# Altium PCB dev-board.PcbDoc (part 1 of 3)
Units mil, origin at the board's own origin, x right, y up, seen from the top; angles counter-clockwise.
Board outline 5607.36 x 4976.81 mil, 4 copper layers (Top Layer, Mid Layer 1, Mid Layer 2, Bottom Layer), stack 62.449 mil thick; 260 components, 115 nets, 707 pads, 1011 vias.
Unrouted connection lines stored in the file: 1.
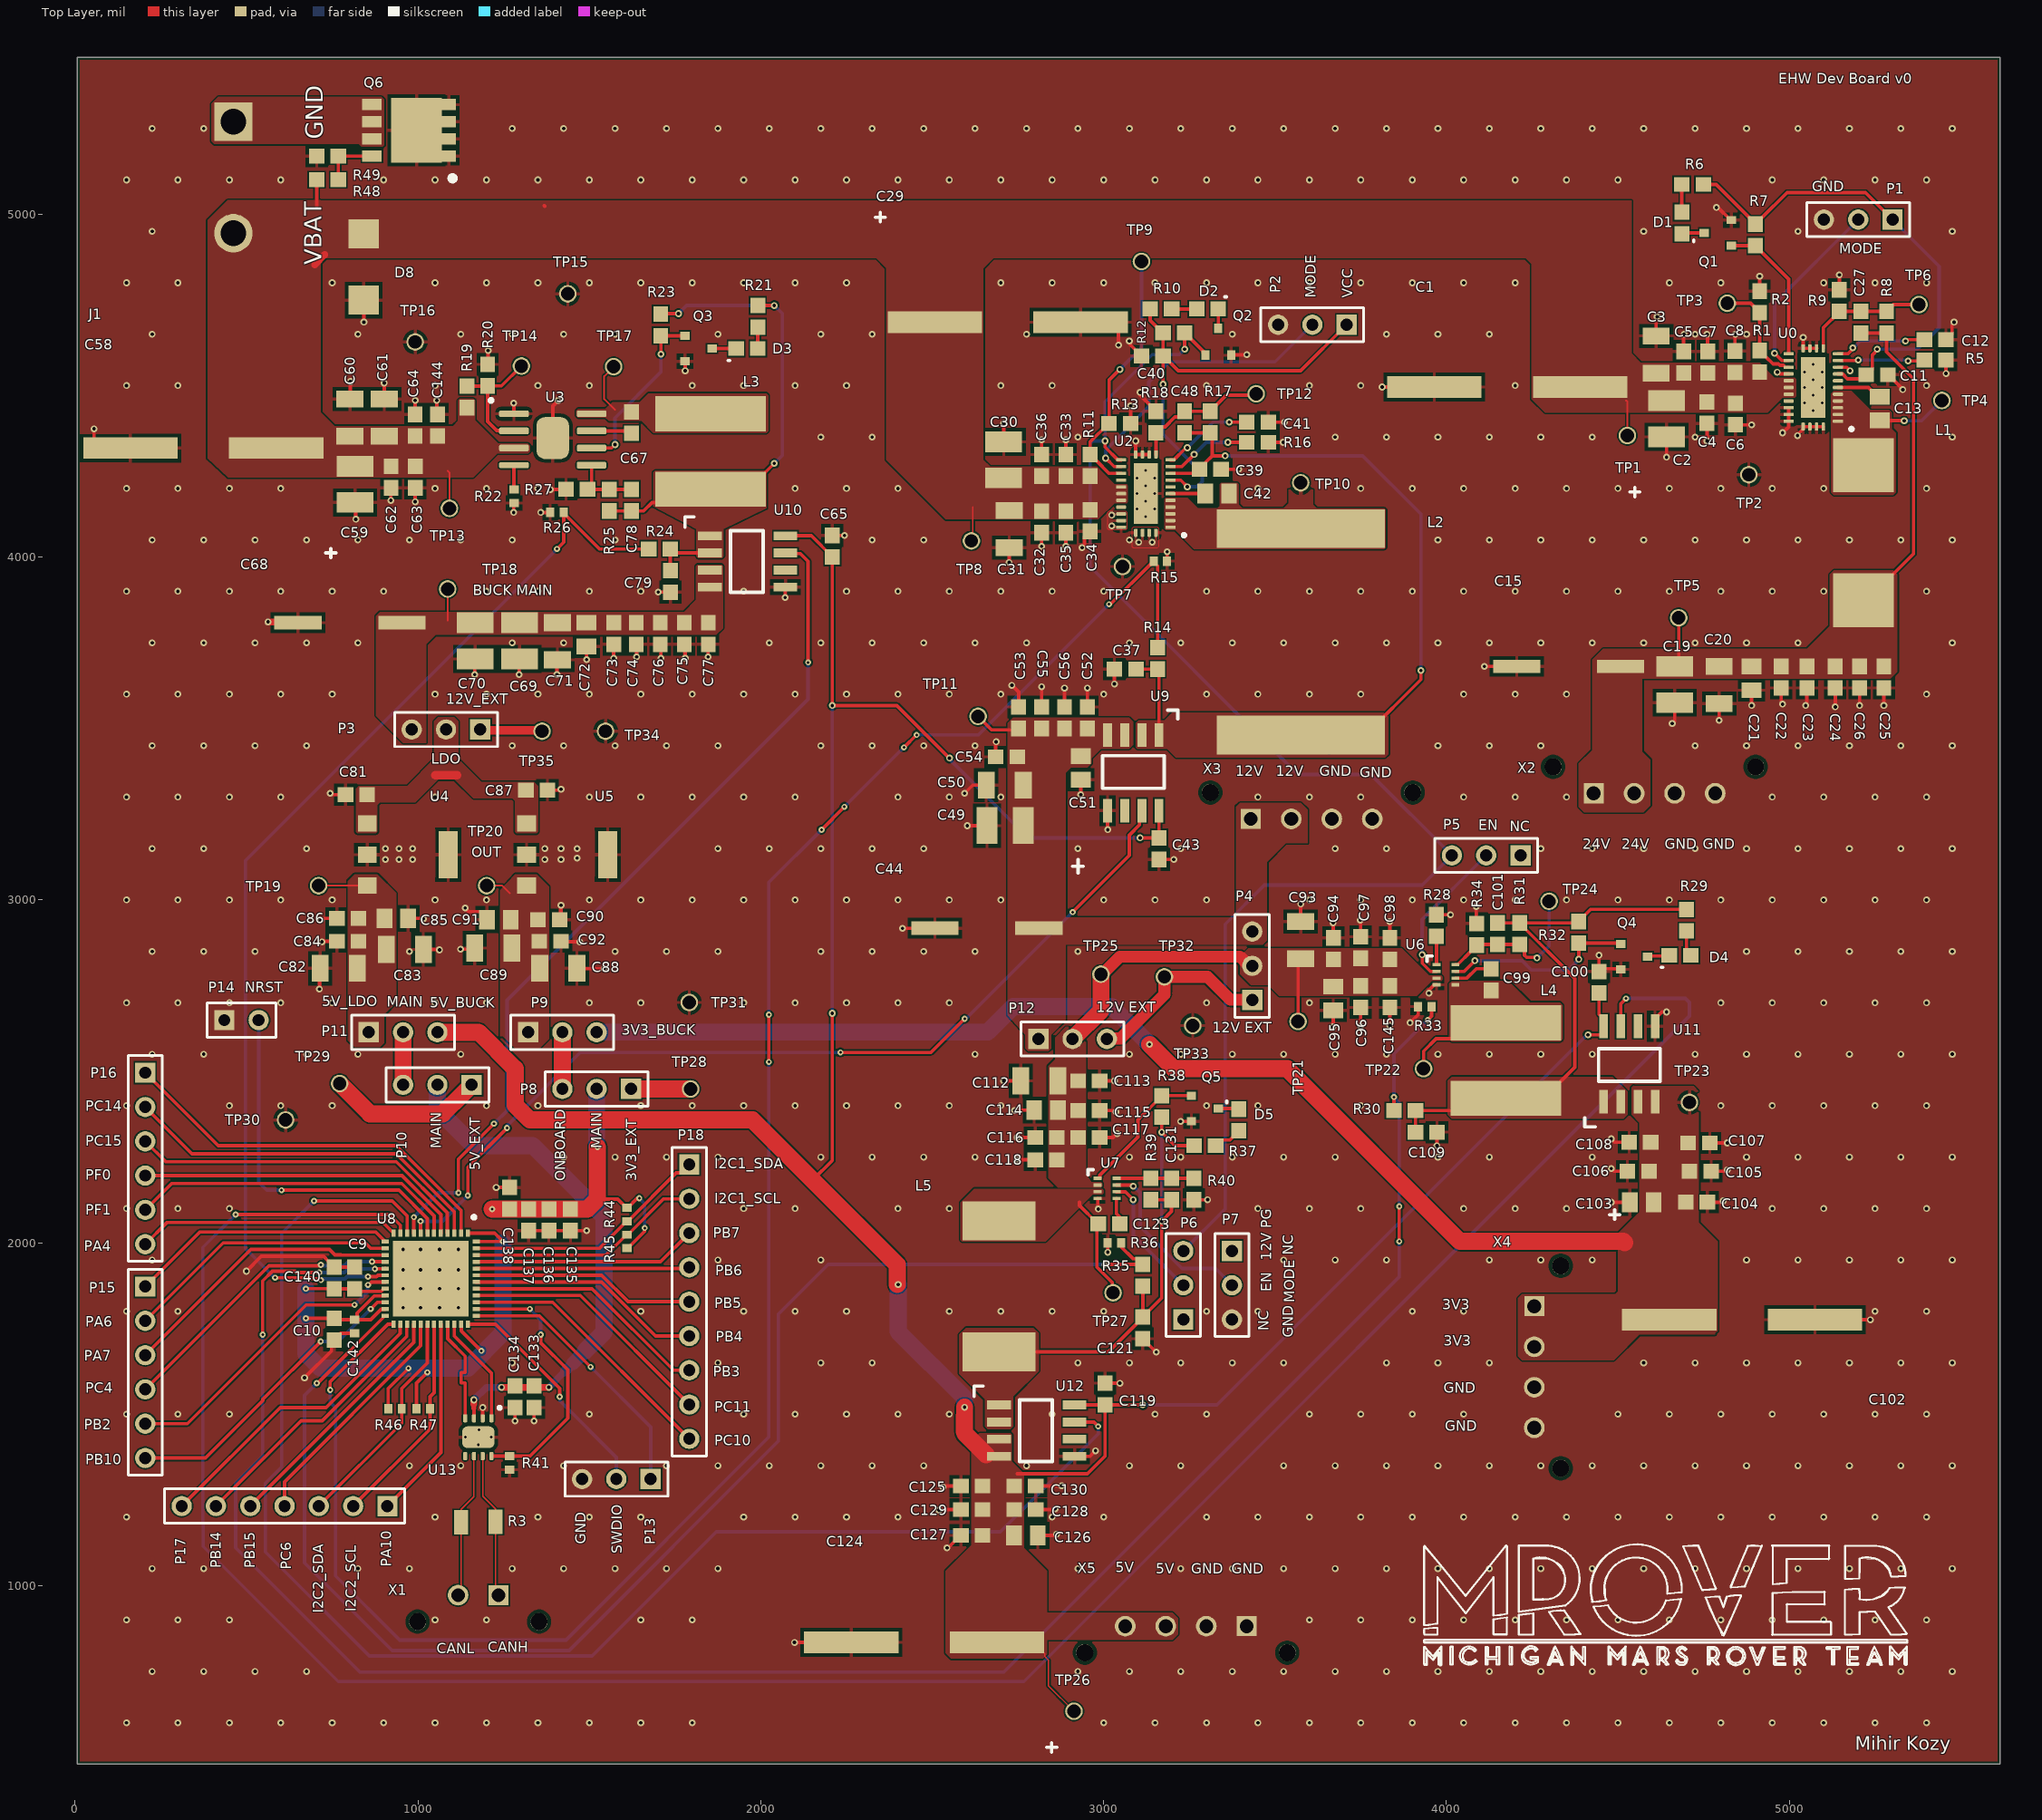
[diagram p0: Top Layer view]
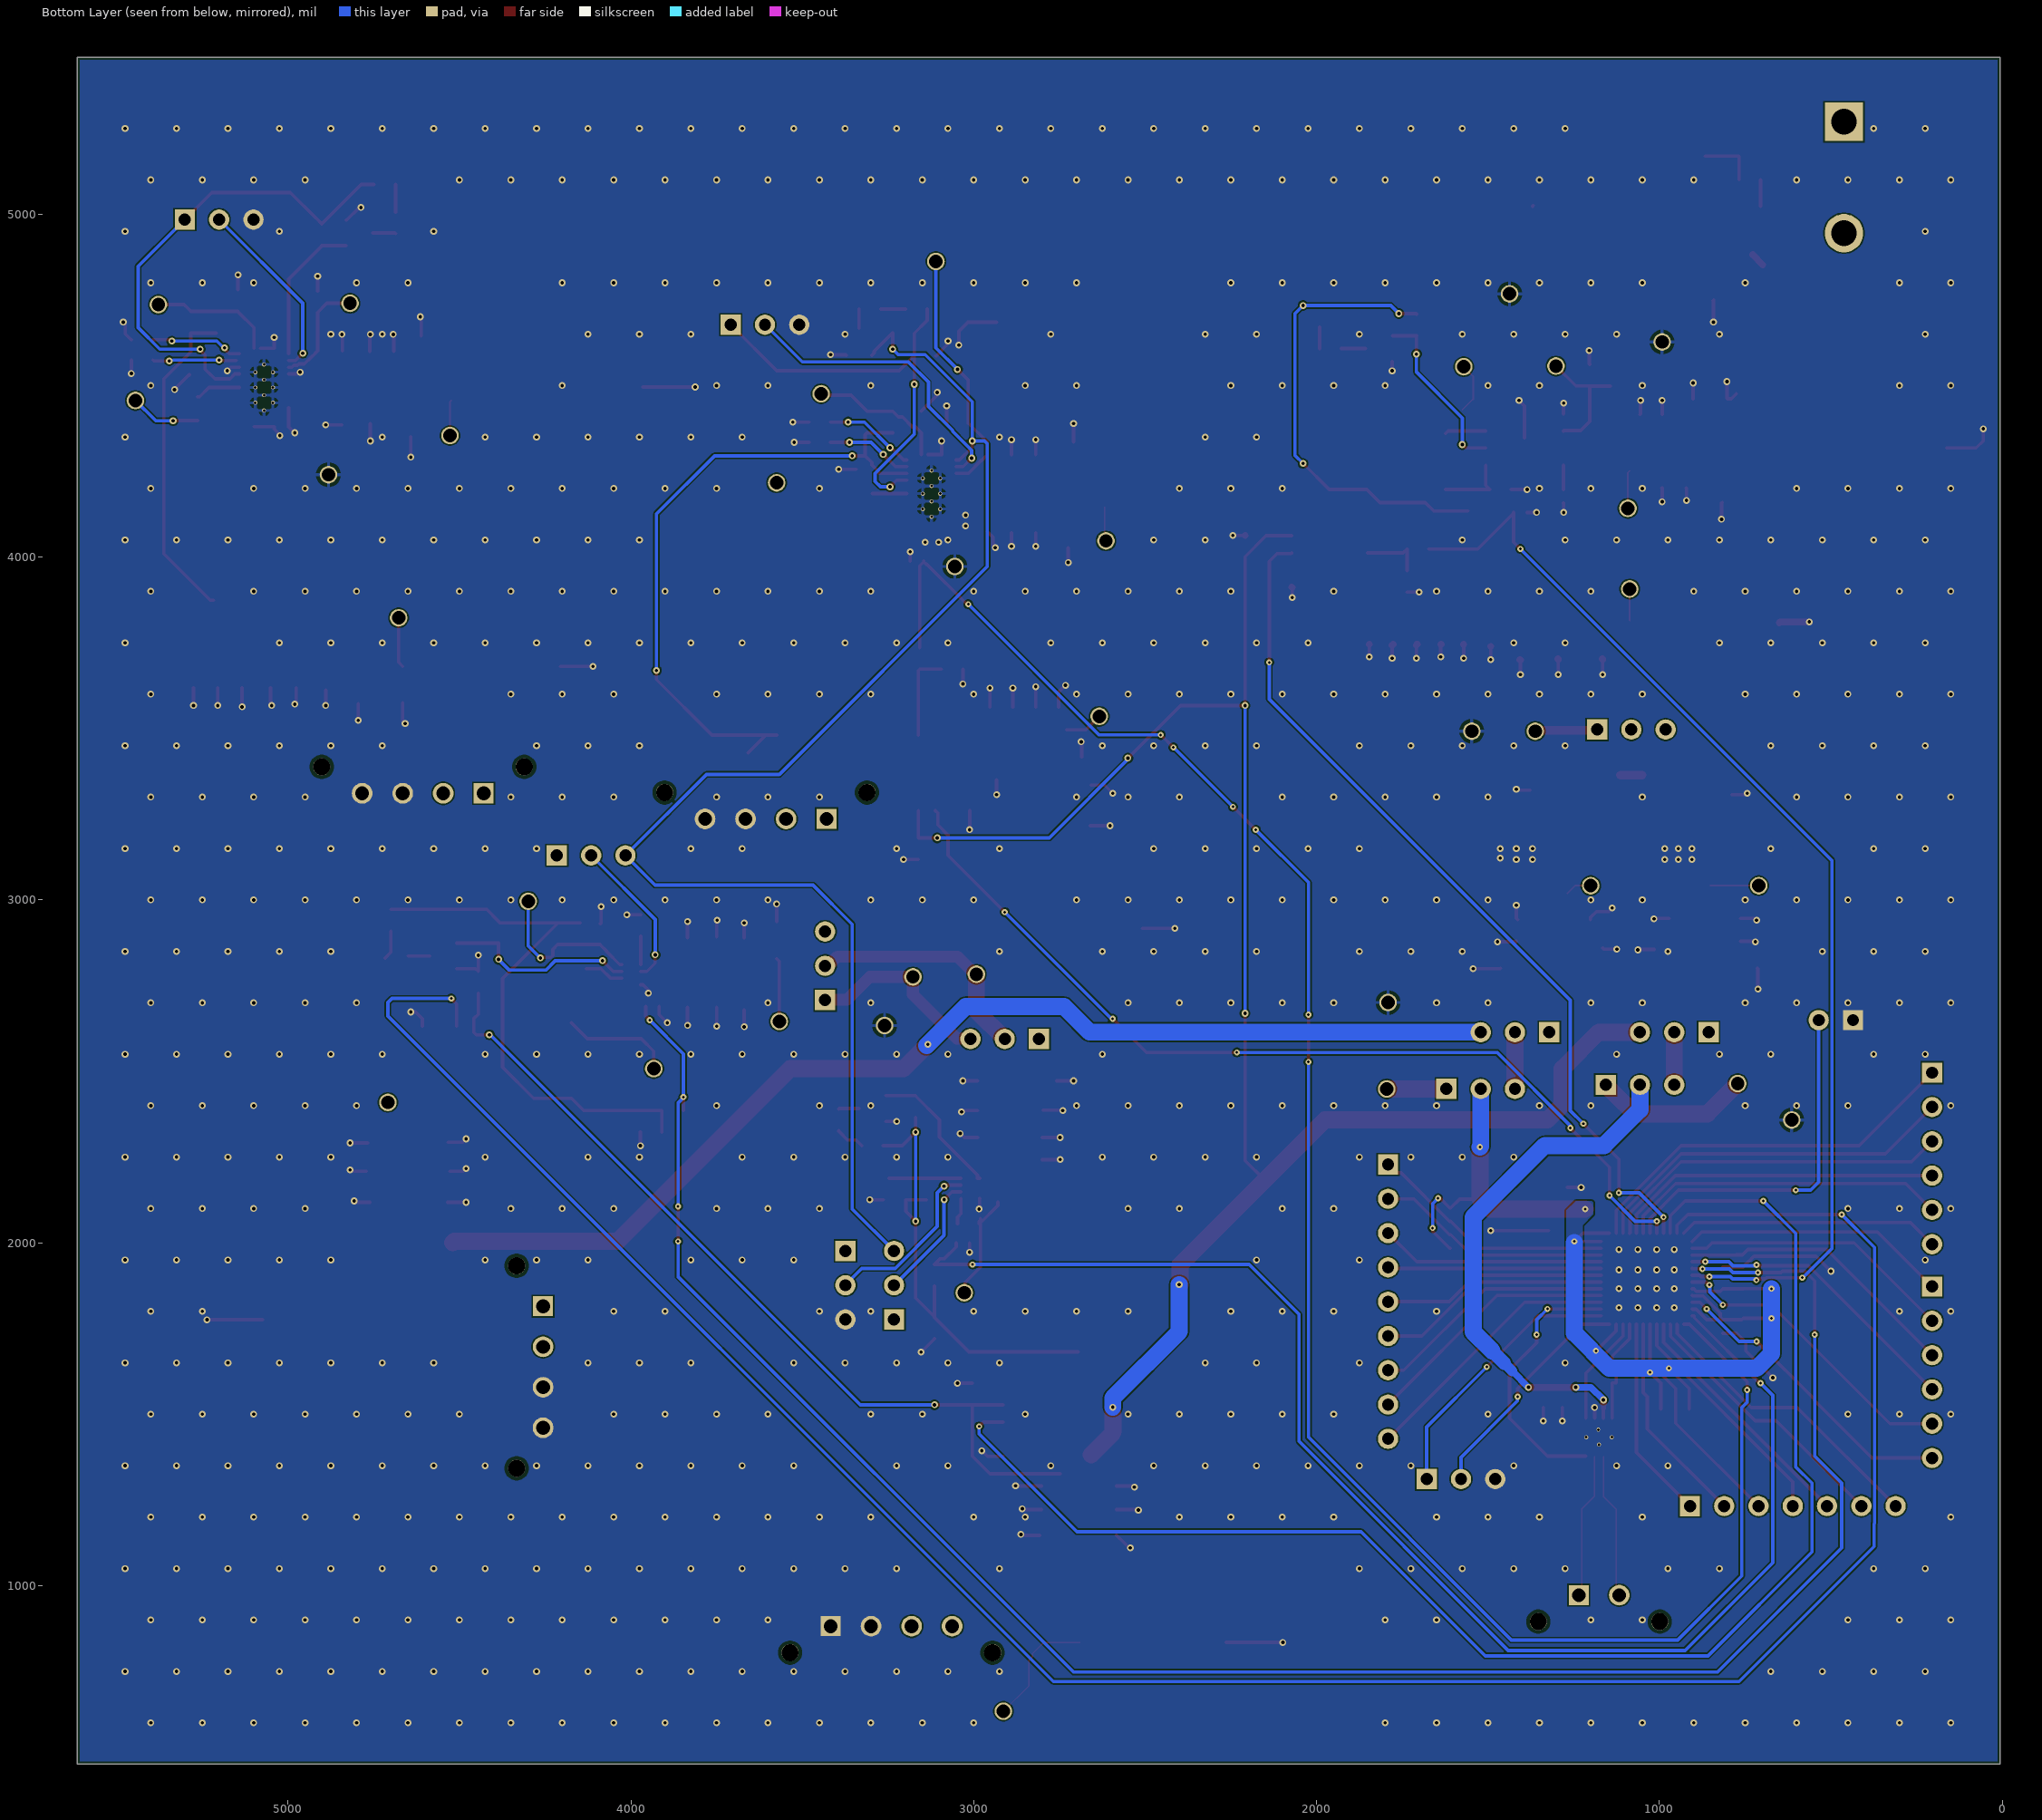
[diagram p1: Bottom Layer view, seen from below]
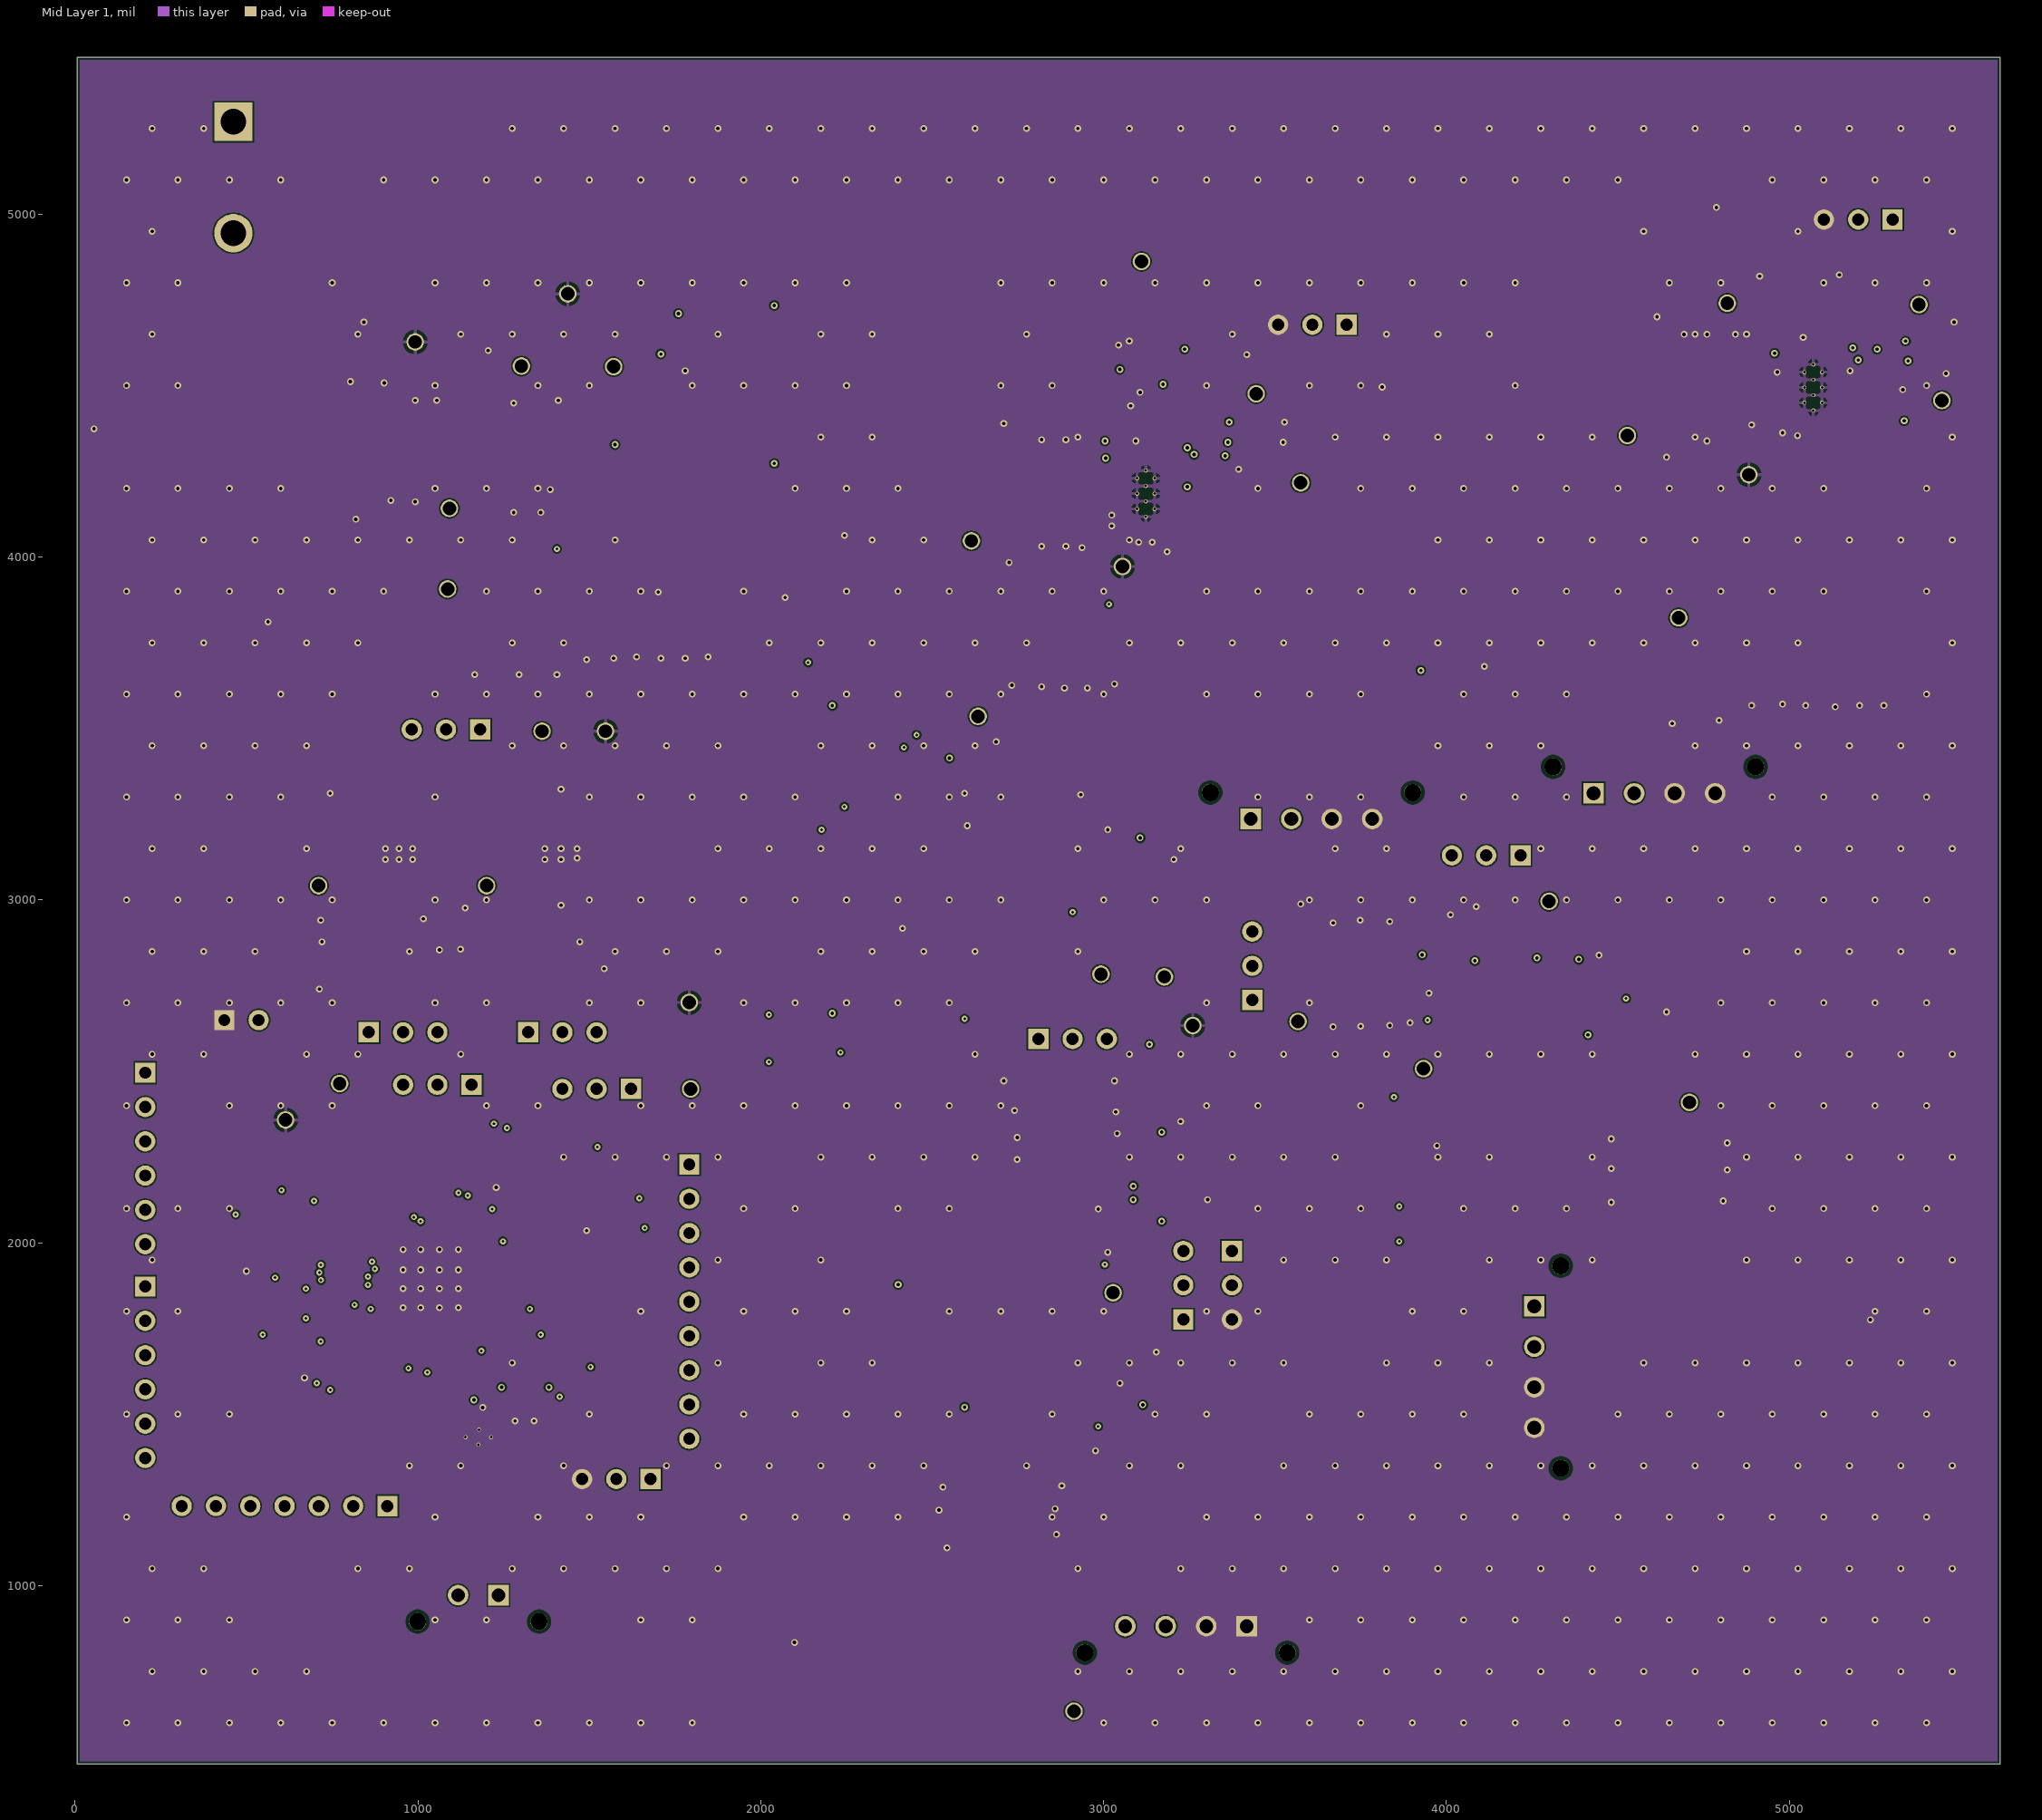
[diagram p2: Mid Layer 1]
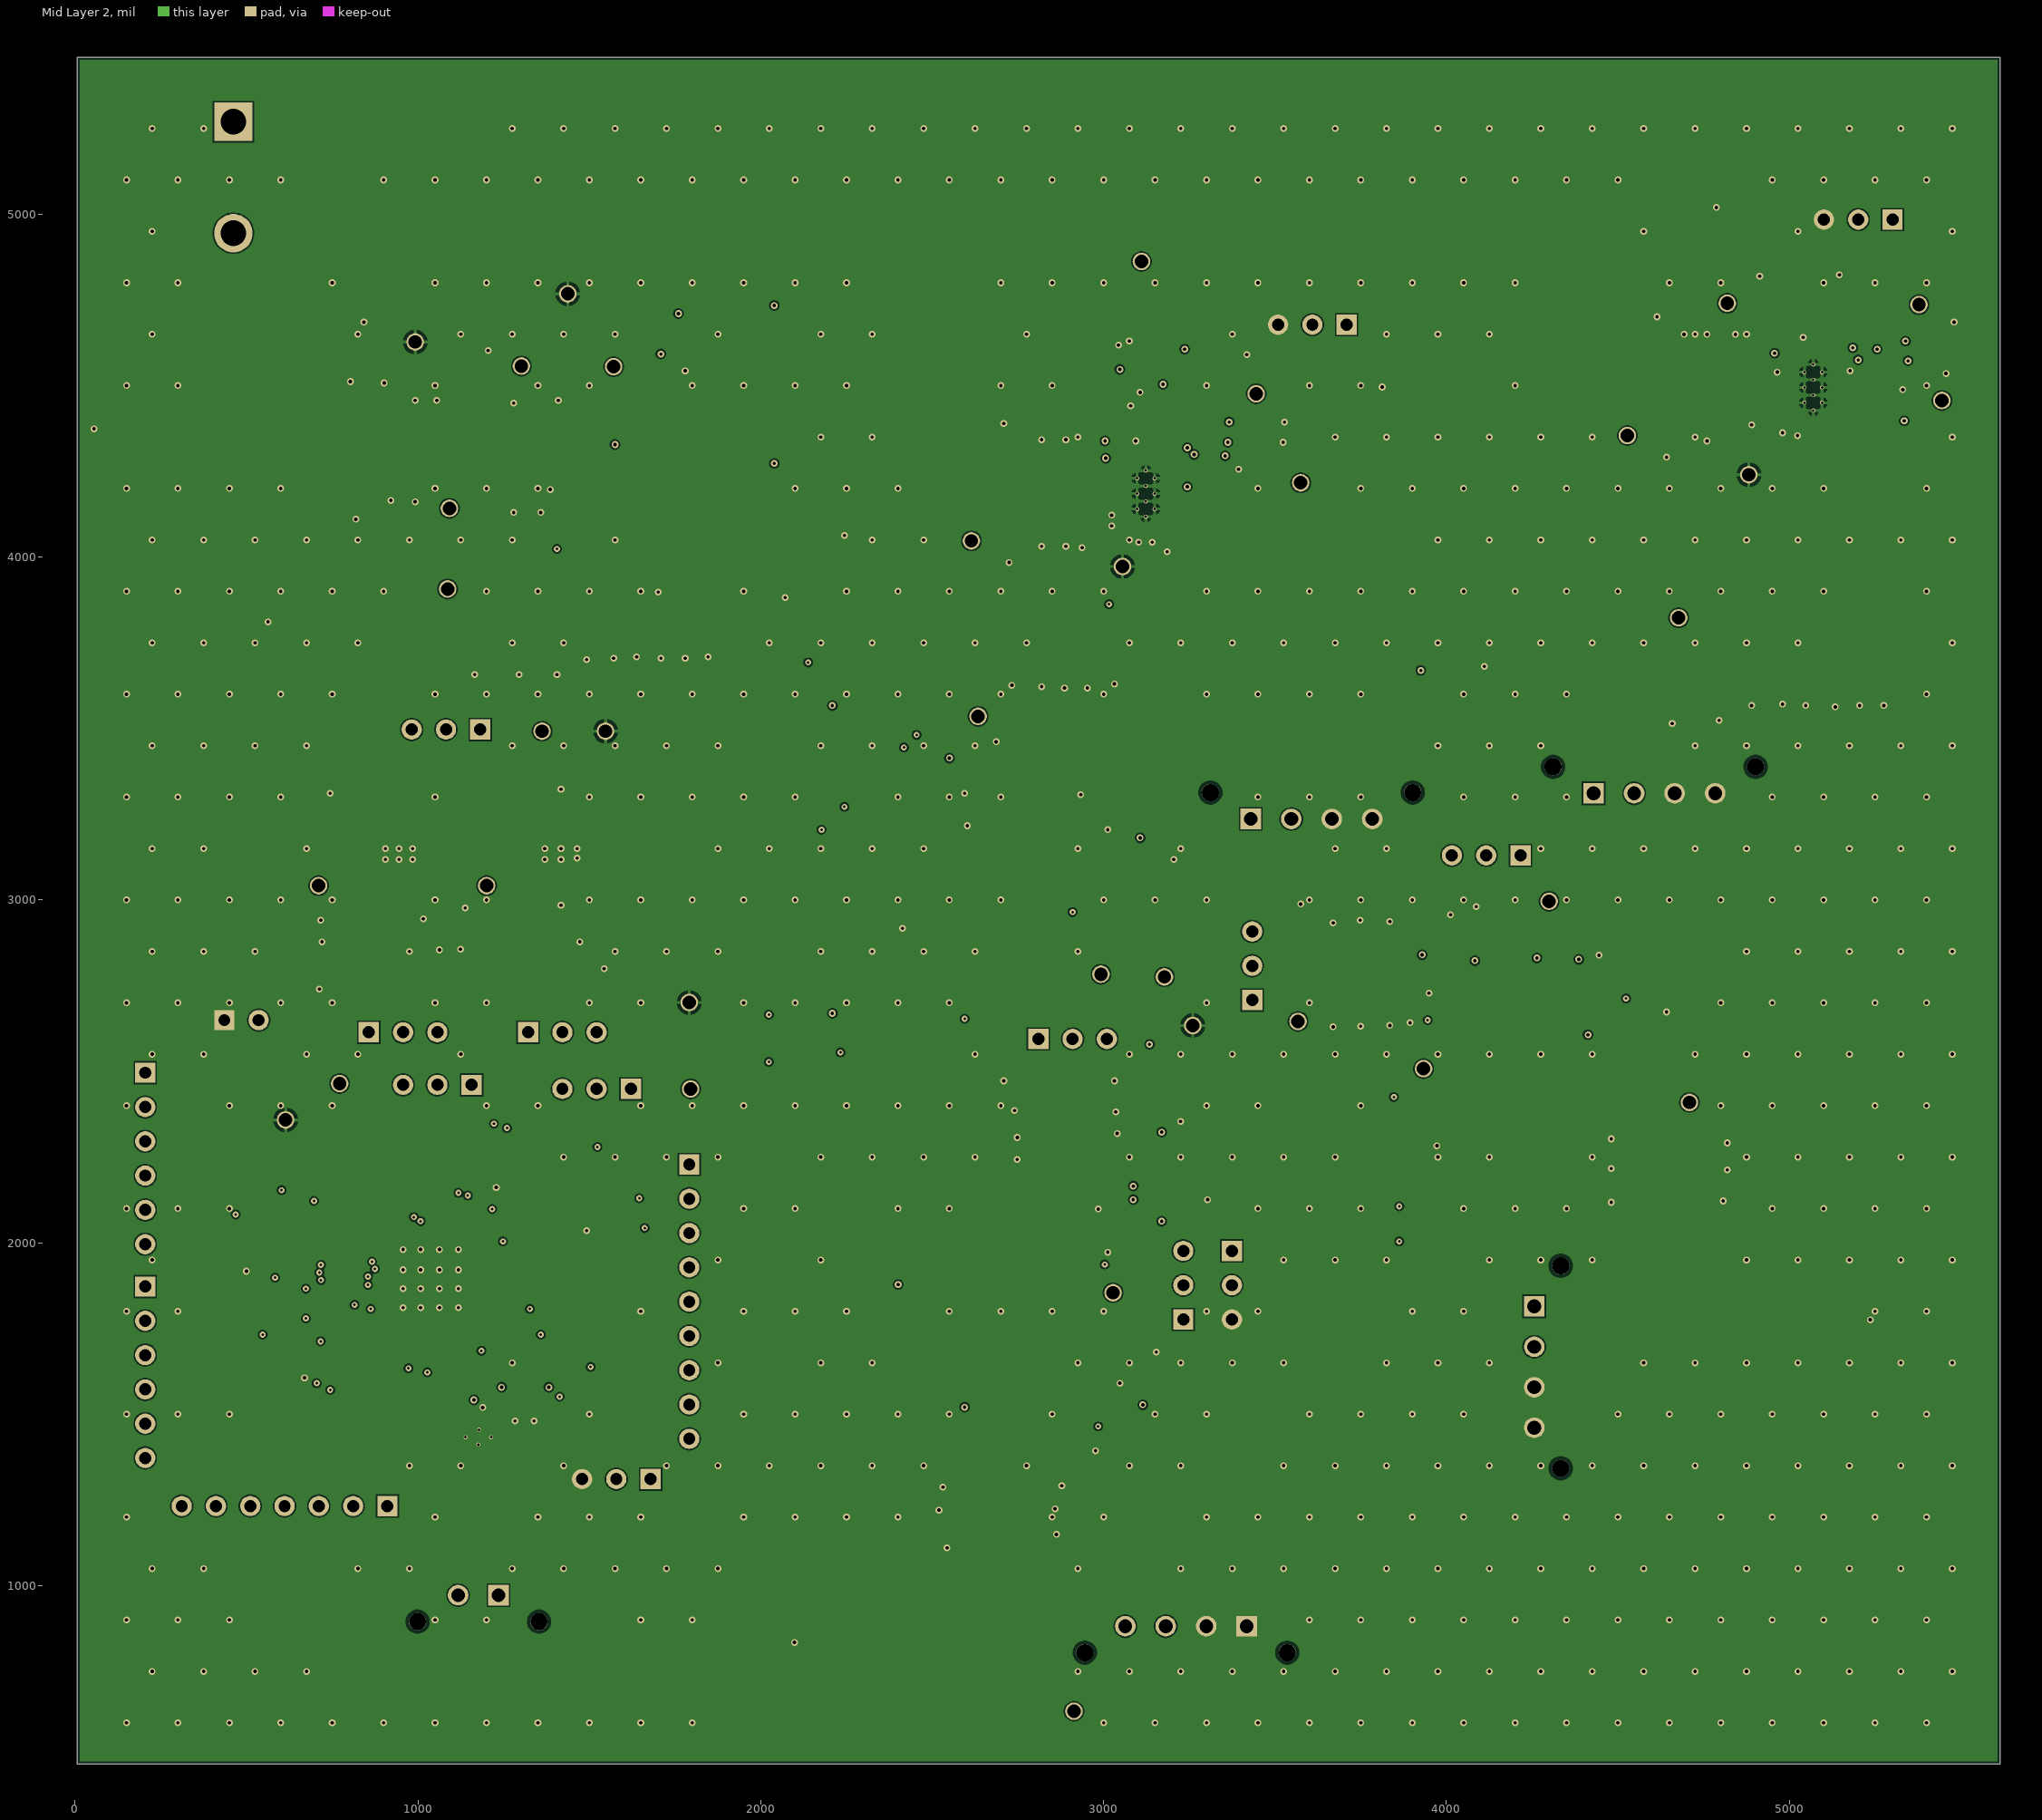
[diagram p3: Mid Layer 2]
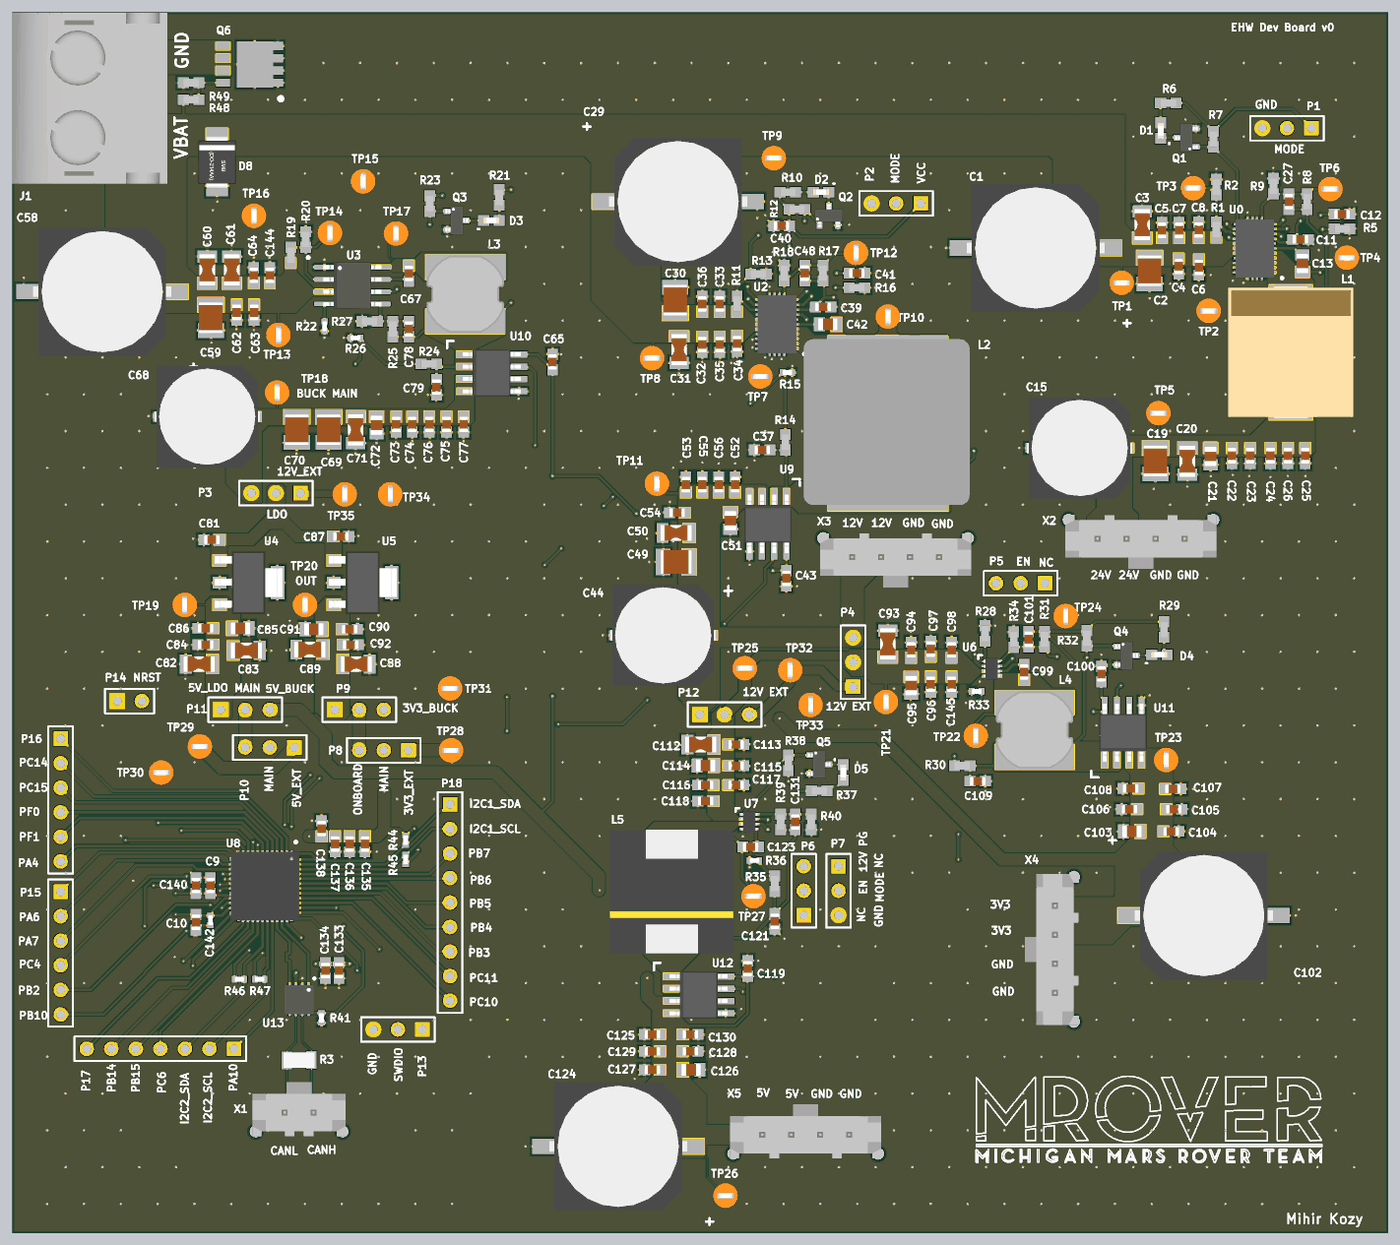
[diagram p6: 3D render of the assembled board from above, using the file's embedded part models]

## Layer stack, top to bottom
Top Solder: solder mask 0.5, Solder Resist, Dk 3.8
Top Layer: signal copper 1.378
Dielectric 1: prepreg 8.2835, 7628, Dk 4.4
Mid Layer 1: signal copper 0.5984
Core: core 41.9291, FR-4, Dk 4.6
Mid Layer 2: signal copper 0.5984
Dielectric 2: prepreg 8.2835, 7628, Dk 4.4
Bottom Layer: signal copper 1.378
Bottom Solder: solder mask 0.5, Solder Resist, Dk 3.8

## Board outline
6.81,480.31 6.81,5457.13 5614.17,5457.13 5614.17,480.31
